# Altium PCB EDA-04211-V4_0_pcb.pcbdoc (part 12 of 12)
Units mm, origin at the board's own origin, x right, y up, seen from the top; angles counter-clockwise.
Board outline 304.8 x 128.5 mm, 14 copper layers (Top Layer, L2, L3GND, L4, L5GND, L6, L7GND, L8, L9GND, L10, L11GND, L12, L13GND, Bottom Layer), stack 4.06 mm thick; 143 components, 1224 nets, 5334 pads, 591 vias.
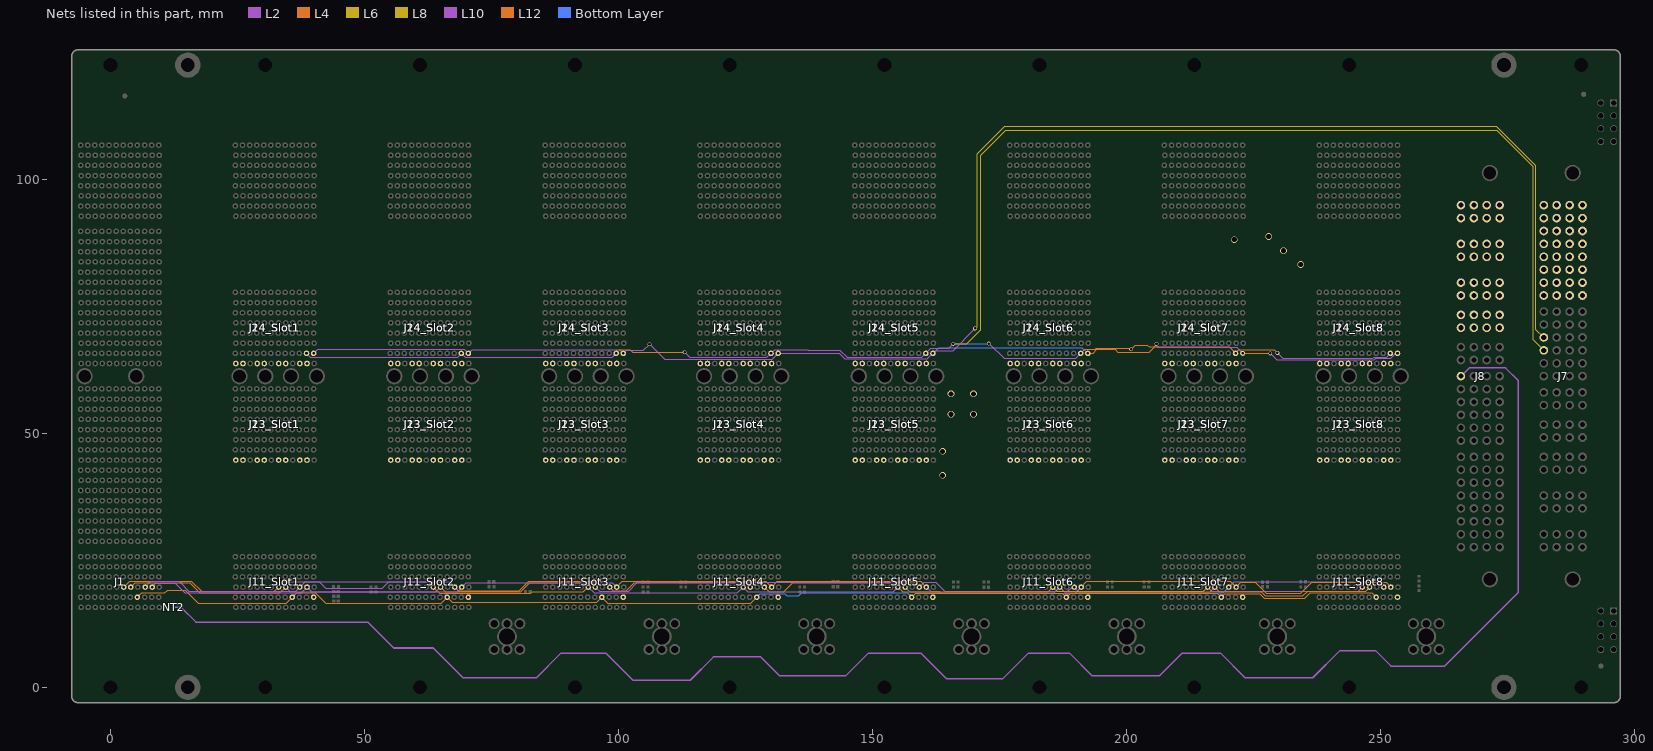
[diagram p24: the nets of this part, all layers, seen from the top]

## Via types
v1: diameter 0.75, hole 0.5, Top Layer to Bottom Layer, tented both sides, 549 vias
v2: diameter 0.85, hole 0.5, Top Layer to Bottom Layer, tented both sides, 32 vias
v3: diameter 1.3, hole 1, Top Layer to Bottom Layer, tented both sides, 10 vias

## Nets (pads, with @x,y where several pads share a name; then routed paths per layer and width w, separated by ;. In a path a pad name is that pad's centre, name@x,y a point inside that pad or via, vN(x,y) a via of type N, cw(c..) or ccw(c..) an arc to the next point about the centre after c; other vN are vias at no path point) (continued)
RTM_SHARED_BUS6: J7.D3 J14_Slot1.K2 J14_Slot2.K2 J14_Slot3.K2 J14_Slot4.K2 J14_Slot5.K2 J14_Slot6.K2 J14_Slot7.K2 J14_Slot8.K2 J24_Slot1.K2 J24_Slot2.K2 J24_Slot3.K2 J24_Slot4.K2 J24_Slot5.K2 J24_Slot6.K2 J24_Slot7.K2 J24_Slot8.K2 | length 414.2
  L4 w0.15: J14_Slot3.K2@99.56,65.75 100.287,66.477 102.293,66.477 102.82,65.95 v1(113.02,65.95) ; J14_Slot6.K2@191,65.75 191.769,66.519 193.845,66.519 194.087,66.761 200.547,66.761 200.758,66.55 v1(200.92,66.55) ; J14_Slot7.K2@221.48,65.75 222.157,66.427 229.143,66.427 v1(229.72,65.85)
  L10 w0.15: J14_Slot1.K2@38.6,65.75 39.327,65.023 68.353,65.023 J14_Slot2.K2@69.08,65.75 69.807,65.023 98.833,65.023 J14_Slot3.K2@99.56,65.75 ; v1(113.02,65.95) 114.02,64.95 129.24,64.95 J14_Slot4.K2@130.04,65.75 130.767,66.477 137.259,66.477 137.338,66.398 143.572,66.398 145.023,64.947 159.717,64.947 J14_Slot5.K2@160.52,65.75 161.477,66.707 165.021,66.707 v1(165.911,67.597) ; v1(172.903,67.683) 173.04,67.683 175.973,64.75 190,64.75 J14_Slot6.K2@191,65.75 ; v1(229.72,65.85) 230.799,64.771 248.537,64.771 248.789,65.023 251.233,65.023 J14_Slot8.K2@251.96,65.75
  L12 w0.15: v1(200.92,66.55) 201.72,67.35 204.12,67.35 204.468,67.002 220.228,67.002 J14_Slot7.K2@221.48,65.75
  L6 w0.15: v1@165.954,67.64 v1(165.911,67.597) 168.567,67.597 171.32,70.35 171.32,104.75 176.22,109.65 272.927,109.65 280.02,102.557 280.02,68.48 J7.D3@282.16,66.34
  Bottom Layer w0.15: v1(165.911,67.597) 165.954,67.64 172.86,67.64 v1(172.903,67.683)
RTM_SHARED_BUS7: J7.D4 J14_Slot1.L2 J14_Slot2.L2 J14_Slot3.L2 J14_Slot4.L2 J14_Slot5.L2 J14_Slot6.L2 J14_Slot7.L2 J14_Slot8.L2 J24_Slot1.L2 J24_Slot2.L2 J24_Slot3.L2 J24_Slot4.L2 J24_Slot5.L2 J24_Slot6.L2 J24_Slot7.L2 J24_Slot8.L2 | length 417.3
  L2 w0.15: J14_Slot3.L2@100.96,65.75 101.56,66.35 104.92,66.35 v1(106.12,67.55) ; J14_Slot5.L2@161.92,65.75 162.47,66.3 165.87,66.3 v1(170.22,70.65) ; v1(205.92,67.65) 206.035,67.535 206.035,67.192 206.288,66.938 221.692,66.938 J14_Slot7.L2@222.88,65.75
  L4 w0.15: J14_Slot6.L2@192.4,65.75 193.433,65.75 194.191,66.509 197.761,66.509 198.32,65.95 204.52,65.95 205.593,67.023 205.593,67.16 205.92,67.488 v1(205.92,67.65) ; J14_Slot7.L2@222.88,65.75 v1(228.32,65.75)
  L10 w0.15: J14_Slot1.L2@40,65.75 40.8,66.55 69.68,66.55 J14_Slot2.L2@70.48,65.75 71.207,66.477 100.233,66.477 J14_Slot3.L2@100.96,65.75 ; v1(106.12,67.55) 109.12,64.55 130.24,64.55 J14_Slot4.L2@131.44,65.75 143.52,65.75 144.601,64.669 160.839,64.669 J14_Slot5.L2@161.92,65.75 ; v1(228.32,65.75) 229.593,64.477 248.747,64.477 249.041,64.771 252.009,64.771 252.687,65.449 252.687,65.451 252.804,65.568 253.178,65.568 J14_Slot8.L2@253.36,65.75
  L12 w0.15: J14_Slot6.L2@192.4,65.75 J14_Slot6.L2@192.496,65.75
  L6 w0.15: v1(170.22,70.65) 170.6,71.03 170.6,105.03 176.02,110.45 272.834,110.45 280.52,102.764 280.52,70.52 J7.D4@282.16,68.88
  Bottom Layer w0.15: J14_Slot5.L2@161.92,65.75 163.072,66.902 191.248,66.902 J14_Slot6.L2@192.4,65.75
RTN_Sense: J8.D1 NT2.1 | length 353.8
  L10 w0.3: v1(13.914,15.784) 16.837,12.861 50.659,12.861 55.77,7.75 63.57,7.75 69.419,1.901 83.871,1.901 88.72,6.75 97.52,6.75 102.869,1.401 114.121,1.401 118.72,6 128.02,6 131.77,2.25 144.72,2.25 149.22,6.75 159.52,6.75 164.619,1.651 175.621,1.651 180.72,6.75 188.77,6.75 193.27,2.25 206.47,2.25 210.97,6.75 218.52,6.75 223.369,1.901 236.671,1.901 242.02,7.25 249.02,7.25 252.081,4.189 262.659,4.189 277.12,18.65 277.12,60.405 274.643,62.881 267.471,62.881 J8.D1@265.85,61.26
  Bottom Layer w0.3: 12.766,15.784 v1(13.914,15.784)
SHARED_BUS_0: J1.I2 J11_Slot1.I2 J11_Slot2.I2 J11_Slot3.I2 J11_Slot4.I2 J11_Slot5.I2 J11_Slot6.I2 J11_Slot7.I2 J11_Slot8.I2 | length 253.4
  L4 w0.102: J11_Slot2.I2@66.28,17.75 67.258,16.772 95.782,16.772 J11_Slot3.I2@96.76,17.75 97.916,16.594 126.084,16.594 J11_Slot4.I2@127.24,17.75 ; J11_Slot5.I2@157.72,17.75 158.52,18.55 187.4,18.55 J11_Slot6.I2@188.2,17.75 189.025,18.575 217.855,18.575 J11_Slot7.I2@218.68,17.75 219.406,18.476 226.233,18.476 227.159,17.55 235.09,17.55 236.166,18.626 248.284,18.626 J11_Slot8.I2@249.16,17.75
  L12 w0.102: J1.I2@5.32,17.75 6.171,18.601 10.691,18.601 11.24,19.15 14.74,19.15 17.296,16.594 34.644,16.594 J11_Slot1.I2@35.8,17.75 36.651,18.601 40.33,18.601 42.362,16.569 65.099,16.569 J11_Slot2.I2@66.28,17.75
  Bottom Layer w0.102: J11_Slot4.I2@127.24,17.75 127.966,18.476 132.698,18.476 133.141,18.033 135.51,18.033 136.128,18.651 156.819,18.651 J11_Slot5.I2@157.72,17.75
SHARED_BUS_1: J1.G3 J11_Slot1.G3 J11_Slot2.G3 J11_Slot3.G3 J11_Slot4.G3 J11_Slot5.G3 J11_Slot6.G3 J11_Slot7.G3 J11_Slot8.G3 | length 252.4
  L2 w0.102: J11_Slot3.G3@94.06,19.75 95.209,18.601 123.391,18.601 J11_Slot4.G3@124.54,19.75 125.461,18.829 154.099,18.829 J11_Slot5.G3@155.02,19.75
  L4 w0.102: J11_Slot2.G3@63.58,19.75 64.83,18.5 82.7,18.5 83.004,18.804 93.114,18.804 J11_Slot3.G3@94.06,19.75 ; J11_Slot5.G3@155.02,19.75 155.941,18.829 184.579,18.829 J11_Slot6.G3@185.5,19.75
  L8 w0.102: J11_Slot6.G3@185.5,19.75 185.51,19.75 186.38,18.88 215.11,18.88 J11_Slot7.G3@215.98,19.75
  L10 w0.102: J11_Slot1.G3@33.1,19.75 34.16,20.81 41.08,20.81 42.34,19.55 53.54,19.55 54.8,20.81 62.52,20.81 J11_Slot2.G3@63.58,19.75 ; J11_Slot7.G3@215.98,19.75 216.799,18.931 245.641,18.931 J11_Slot8.G3@246.46,19.75
  L12 w0.102: J1.G3@2.62,19.75 3.807,20.937 15.953,20.937 17.985,18.905 32.255,18.905 J11_Slot1.G3@33.1,19.75
SHARED_BUS_2: J1.H3 J11_Slot1.H3 J11_Slot2.H3 J11_Slot3.H3 J11_Slot4.H3 J11_Slot5.H3 J11_Slot6.H3 J11_Slot7.H3 J11_Slot8.H3 | length 253.2
  L2 w0.102: J11_Slot3.H3@95.46,19.75 96.305,18.905 102.001,18.905 103.754,20.658 125.032,20.658 J11_Slot4.H3@125.94,19.75 126.873,20.683 155.487,20.683 J11_Slot5.H3@156.42,19.75
  L4 w0.102: J11_Slot2.H3@64.98,19.75 65.952,18.778 72.943,18.778 73.008,18.843 80.767,18.843 82.562,20.638 94.572,20.638 J11_Slot3.H3@95.46,19.75 ; J11_Slot6.H3@186.9,19.75 187.801,18.849 216.479,18.849 J11_Slot7.H3@217.38,19.75 217.387,19.75 218.317,18.82 226.524,18.82 227.344,18 234.722,18 235.678,18.956 247.066,18.956 J11_Slot8.H3@247.86,19.75
  L10 w0.102: J11_Slot1.H3@34.5,19.75 35.446,18.804 64.034,18.804 J11_Slot2.H3@64.98,19.75
  L12 w0.102: J1.H3@4.02,19.75 4.877,20.607 15.622,20.607 17.629,18.601 33.351,18.601 J11_Slot1.H3@34.5,19.75
  Bottom Layer w0.102: J11_Slot5.H3@156.42,19.75 157.344,18.826 163.477,18.826 163.652,18.651 185.801,18.651 J11_Slot6.H3@186.9,19.75
SHARED_BUS_3: J1.J3 J11_Slot1.J3 J11_Slot2.J3 J11_Slot3.J3 J11_Slot4.J3 J11_Slot5.J3 J11_Slot6.J3 J11_Slot7.J3 J11_Slot8.J3 | length 253.9
  L2 w0.102: J1.J3@6.82,19.75 7.931,20.861 13.529,20.861 15.443,18.947 36.497,18.947 J11_Slot1.J3@37.3,19.75 38.31,20.76 66.77,20.76 J11_Slot2.J3@67.78,19.75
  L4 w0.102: J11_Slot2.J3@67.78,19.75 68.483,19.047 80.447,19.047 82.312,20.912 97.098,20.912 J11_Slot3.J3@98.26,19.75 99.018,18.992 101.554,18.992 103.144,20.582 127.908,20.582 J11_Slot4.J3@128.74,19.75 129.712,18.778 132.557,18.778 134.361,20.582 158.388,20.582 J11_Slot5.J3@159.22,19.75
  L10 w0.102: J11_Slot5.J3@159.22,19.75 160.179,20.709 162.453,20.709 164.282,18.88 188.47,18.88 189.34,19.75 J11_Slot6.J3@189.7,19.75 ; J11_Slot7.J3@220.18,19.75 221.19,20.76 249.65,20.76 J11_Slot8.J3@250.66,19.75
  Bottom Layer w0.102: J11_Slot6.J3@189.7,19.75 190.838,18.612 219.056,18.612 220.18,19.736 J11_Slot7.J3@220.18,19.75
SHARED_BUS_4: J1.K3 J11_Slot1.K3 J11_Slot2.K3 J11_Slot3.K3 J11_Slot4.K3 J11_Slot5.K3 J11_Slot6.K3 J11_Slot7.K3 J11_Slot8.K3 | length 253.2
  L2 w0.102: J1.K3@8.22,19.75 8.946,20.476 12.745,20.476 14.629,18.591 37.541,18.591 J11_Slot1.K3@38.7,19.75 39.621,18.829 68.259,18.829 J11_Slot2.K3@69.18,19.75 70.063,20.633 98.777,20.633 J11_Slot3.K3@99.66,19.75
  L4 w0.102: J11_Slot3.K3@99.66,19.75 100.797,20.887 129.003,20.887 J11_Slot4.K3@130.14,19.75 131.277,20.887 159.483,20.887 J11_Slot5.K3@160.62,19.75 ; J11_Slot6.K3@191.1,19.75 192.199,20.849 220.481,20.849 J11_Slot7.K3@221.58,19.75 222.53,20.7 225.381,20.7 227.53,18.55 234.341,18.55 236.49,20.7 251.11,20.7 J11_Slot8.K3@252.06,19.75
  L10 w0.102: J11_Slot5.K3@160.62,19.75 161.439,18.931 162.961,18.931 163.317,18.575 189.925,18.575 J11_Slot6.K3@191.1,19.75
"SYSEN_Peripheral Slot 1_N": J11_Slot1.L2
"SYSEN_Peripheral Slot 2_N": J11_Slot2.L2
"SYSEN_Peripheral Slot 3_N": J11_Slot3.L2
"SYSEN_Peripheral Slot 4_N": J11_Slot4.L2
"SYSEN_Peripheral Slot 5_N": J11_Slot5.L2
"SYSEN_Peripheral Slot 6_N": J11_Slot6.L2
"SYSEN_Peripheral Slot 7_N": J11_Slot7.L2
"SYSEN_Peripheral Slot 8_N": J11_Slot8.L2
Vext1: J7.P9 J8.P1 J14_Slot1.A1 J14_Slot1.B1 J14_Slot1.D1 J14_Slot1.E1 J14_Slot2.A1 J14_Slot2.B1 J14_Slot2.D1 J14_Slot2.E1 J14_Slot3.A1 J14_Slot3.B1 J14_Slot3.D1 J14_Slot3.E1 J14_Slot4.A1 J14_Slot4.B1 J14_Slot4.D1 J14_Slot4.E1 J14_Slot5.A1 J14_Slot5.B1 J14_Slot5.D1 J14_Slot5.E1 J14_Slot6.A1 J14_Slot6.B1 J14_Slot6.D1 J14_Slot6.E1 J14_Slot7.A1 J14_Slot7.B1 J14_Slot7.D1 J14_Slot7.E1 J14_Slot8.A1 J14_Slot8.B1 J14_Slot8.D1 J14_Slot8.E1 J24_Slot1.A1 J24_Slot1.B1 J24_Slot1.D1 J24_Slot1.E1 J24_Slot2.A1 J24_Slot2.B1 J24_Slot2.D1 J24_Slot2.E1 J24_Slot3.A1 J24_Slot3.B1 J24_Slot3.D1 J24_Slot3.E1 J24_Slot4.A1 J24_Slot4.B1 J24_Slot4.D1 J24_Slot4.E1 J24_Slot5.A1 J24_Slot5.B1 J24_Slot5.D1 J24_Slot5.E1 J24_Slot6.A1 J24_Slot6.B1 J24_Slot6.D1 J24_Slot6.E1 J24_Slot7.A1 J24_Slot7.B1 J24_Slot7.D1 J24_Slot7.E1 J24_Slot8.A1 J24_Slot8.B1 J24_Slot8.D1 J24_Slot8.E1
Vext2: J7.P8 J8.P2 J14_Slot1.G1 J14_Slot1.H1 J14_Slot1.J1 J14_Slot1.K1 J14_Slot2.G1 J14_Slot2.H1 J14_Slot2.J1 J14_Slot2.K1 J14_Slot3.G1 J14_Slot3.H1 J14_Slot3.J1 J14_Slot3.K1 J14_Slot4.G1 J14_Slot4.H1 J14_Slot4.J1 J14_Slot4.K1 J14_Slot5.G1 J14_Slot5.H1 J14_Slot5.J1 J14_Slot5.K1 J14_Slot6.G1 J14_Slot6.H1 J14_Slot6.J1 J14_Slot6.K1 J14_Slot7.G1 J14_Slot7.H1 J14_Slot7.J1 J14_Slot7.K1 J14_Slot8.G1 J14_Slot8.H1 J14_Slot8.J1 J14_Slot8.K1 J24_Slot1.G1 J24_Slot1.H1 J24_Slot1.J1 J24_Slot1.K1 J24_Slot2.G1 J24_Slot2.H1 J24_Slot2.J1 J24_Slot2.K1 J24_Slot3.G1 J24_Slot3.H1 J24_Slot3.J1 J24_Slot3.K1 J24_Slot4.G1 J24_Slot4.H1 J24_Slot4.J1 J24_Slot4.K1 J24_Slot5.G1 J24_Slot5.H1 J24_Slot5.J1 J24_Slot5.K1 J24_Slot6.G1 J24_Slot6.H1 J24_Slot6.J1 J24_Slot6.K1 J24_Slot7.G1 J24_Slot7.H1 J24_Slot7.J1 J24_Slot7.K1 J24_Slot8.G1 J24_Slot8.H1 J24_Slot8.J1 J24_Slot8.K1
  other v3: 165.48,53.757 169.895,53.757 165.48,57.77 169.895,57.77 234.32,83.25 230.92,85.95 221.22,88.15 228.02,88.75
Vext3: J7.P7 J8.P3 J13_Slot1.A1 J13_Slot1.B1 J13_Slot1.D1 J13_Slot1.E1 J13_Slot2.A1 J13_Slot2.B1 J13_Slot2.D1 J13_Slot2.E1 J13_Slot3.A1 J13_Slot3.B1 J13_Slot3.D1 J13_Slot3.E1 J13_Slot4.A1 J13_Slot4.B1 J13_Slot4.D1 J13_Slot4.E1 J13_Slot5.A1 J13_Slot5.B1 J13_Slot5.D1 J13_Slot5.E1 J13_Slot6.A1 J13_Slot6.B1 J13_Slot6.D1 J13_Slot6.E1 J13_Slot7.A1 J13_Slot7.B1 J13_Slot7.D1 J13_Slot7.E1 J13_Slot8.A1 J13_Slot8.B1 J13_Slot8.D1 J13_Slot8.E1 J23_Slot1.A1 J23_Slot1.B1 J23_Slot1.D1 J23_Slot1.E1 J23_Slot2.A1 J23_Slot2.B1 J23_Slot2.D1 J23_Slot2.E1 J23_Slot3.A1 J23_Slot3.B1 J23_Slot3.D1 J23_Slot3.E1 J23_Slot4.A1 J23_Slot4.B1 J23_Slot4.D1 J23_Slot4.E1 J23_Slot5.A1 J23_Slot5.B1 J23_Slot5.D1 J23_Slot5.E1 J23_Slot6.A1 J23_Slot6.B1 J23_Slot6.D1 J23_Slot6.E1 J23_Slot7.A1 J23_Slot7.B1 J23_Slot7.D1 J23_Slot7.E1 J23_Slot8.A1 J23_Slot8.B1 J23_Slot8.D1 J23_Slot8.E1
Vext4: J7.P6 J8.P4 J13_Slot1.G1 J13_Slot1.H1 J13_Slot1.J1 J13_Slot1.K1 J13_Slot2.G1 J13_Slot2.H1 J13_Slot2.J1 J13_Slot2.K1 J13_Slot3.G1 J13_Slot3.H1 J13_Slot3.J1 J13_Slot3.K1 J13_Slot4.G1 J13_Slot4.H1 J13_Slot4.J1 J13_Slot4.K1 J13_Slot5.G1 J13_Slot5.H1 J13_Slot5.J1 J13_Slot5.K1 J13_Slot6.G1 J13_Slot6.H1 J13_Slot6.J1 J13_Slot6.K1 J13_Slot7.G1 J13_Slot7.H1 J13_Slot7.J1 J13_Slot7.K1 J13_Slot8.G1 J13_Slot8.H1 J13_Slot8.J1 J13_Slot8.K1 J23_Slot1.G1 J23_Slot1.H1 J23_Slot1.J1 J23_Slot1.K1 J23_Slot2.G1 J23_Slot2.H1 J23_Slot2.J1 J23_Slot2.K1 J23_Slot3.G1 J23_Slot3.H1 J23_Slot3.J1 J23_Slot3.K1 J23_Slot4.G1 J23_Slot4.H1 J23_Slot4.J1 J23_Slot4.K1 J23_Slot5.G1 J23_Slot5.H1 J23_Slot5.J1 J23_Slot5.K1 J23_Slot6.G1 J23_Slot6.H1 J23_Slot6.J1 J23_Slot6.K1 J23_Slot7.G1 J23_Slot7.H1 J23_Slot7.J1 J23_Slot7.K1 J23_Slot8.G1 J23_Slot8.H1 J23_Slot8.J1 J23_Slot8.K1
  other v3: 163.825,41.717 163.825,46.442
pads on no net: B5.1 B6.1 B7.1 B8.1 B9.1 B10.1 B11.1 B12.1 B13.1 B14.1 B15.1 B16.1 B17.1 B18.1 B19.1 B20.1 B21.1 B22.1 B23.1 B24.1 FTG1.FTG2 FTG2.FTG2 FTG3.FTG2 GUIDE1.1 GUIDE1.2 GUIDE2.1 GUIDE2.2 GUIDE3.1 GUIDE3.2 GUIDE4.1 GUIDE4.2 GUIDE5.1 GUIDE5.2 GUIDE6.1 GUIDE6.2 GUIDE7.1 GUIDE7.2 GUIDE8.1 GUIDE8.2 GUIDE9.1 GUIDE9.2 GUIDE10.1 GUIDE10.2 GUIDE11.1 GUIDE11.2 GUIDE12.1 GUIDE12.2 GUIDE13.1 GUIDE13.2 GUIDE14.1 GUIDE14.2 GUIDE15.1 GUIDE15.2 GUIDE16.1 GUIDE16.2 GUIDE17.1 GUIDE17.2 J1.E4 J1.F4 J1.K2 J2.A1 J2.B1 J2.B2 J2.C2 J2.D1 J2.E1 J2.E2 J2.F2 J2.G1 J2.H1 J2.H2 J2.I2 J2.J1 J2.K1 J2.K2 J2.L2 J7.A5 J7.A6 J7.B2 J7.B3 J7.B4 J7.B5 J7.B6 J7.C2 J7.C3 J7.C4 J7.C5 J7.C6 J7.D5 J7.D6 J7.MTG1 J7.MTG2 J8.MTG1 J8.MTG2 J16_Slot1.A3 J16_Slot1.A5 J16_Slot1.A7 J16_Slot1.B2 J16_Slot1.B3 J16_Slot1.B4 J16_Slot1.B5 J16_Slot1.B6 J16_Slot1.B7 J16_Slot1.B8 J16_Slot1.C2 J16_Slot1.C4 J16_Slot1.C6 J16_Slot1.C8 J16_Slot1.D3 J16_Slot1.D5 J16_Slot1.D7 J16_Slot1.E2 J16_Slot1.E3 J16_Slot1.E4 J16_Slot1.E5 J16_Slot1.E6 J16_Slot1.E7 J16_Slot1.E8 J16_Slot1.F2 J16_Slot1.F4 J16_Slot1.F6 J16_Slot1.F8 J16_Slot1.G3 J16_Slot1.G5 J16_Slot1.G7 J16_Slot1.H2 J16_Slot1.H3 J16_Slot1.H4 J16_Slot1.H5 J16_Slot1.H6 J16_Slot1.H7 J16_Slot1.H8 J16_Slot1.I2 J16_Slot1.I4 J16_Slot1.I6 J16_Slot1.I8 J16_Slot1.J3 J16_Slot1.J5 J16_Slot1.J7 J16_Slot1.K2 J16_Slot1.K3 J16_Slot1.K4 J16_Slot1.K5 J16_Slot1.K6 J16_Slot1.K7 J16_Slot1.K8 J16_Slot1.L2 J16_Slot1.L4 J16_Slot1.L6 J16_Slot1.L8 J16_Slot2.A3 J16_Slot2.A5 J16_Slot2.A7 J16_Slot2.B2 J16_Slot2.B3 J16_Slot2.B4 J16_Slot2.B5 J16_Slot2.B6 J16_Slot2.B7 J16_Slot2.B8 J16_Slot2.C2 J16_Slot2.C4 J16_Slot2.C6 J16_Slot2.C8 J16_Slot2.D3 J16_Slot2.D5 J16_Slot2.D7 J16_Slot2.E2 J16_Slot2.E3 J16_Slot2.E4 J16_Slot2.E5 J16_Slot2.E6 J16_Slot2.E7 J16_Slot2.E8 J16_Slot2.F2 J16_Slot2.F4 J16_Slot2.F6 J16_Slot2.F8 J16_Slot2.G3 J16_Slot2.G5 J16_Slot2.G7 J16_Slot2.H2 J16_Slot2.H3 J16_Slot2.H4 J16_Slot2.H5 J16_Slot2.H6 J16_Slot2.H7 J16_Slot2.H8 J16_Slot2.I2 J16_Slot2.I4 J16_Slot2.I6 J16_Slot2.I8 J16_Slot2.J3 J16_Slot2.J5 J16_Slot2.J7 J16_Slot2.K2 J16_Slot2.K3 J16_Slot2.K4 J16_Slot2.K5 J16_Slot2.K6 J16_Slot2.K7 J16_Slot2.K8 J16_Slot2.L2 J16_Slot2.L4 J16_Slot2.L6 J16_Slot2.L8 J16_Slot3.A3 J16_Slot3.A5 J16_Slot3.A7 J16_Slot3.B2 J16_Slot3.B3 J16_Slot3.B4 J16_Slot3.B5 J16_Slot3.B6 J16_Slot3.B7 J16_Slot3.B8 J16_Slot3.C2 J16_Slot3.C4 J16_Slot3.C6 J16_Slot3.C8 J16_Slot3.D3 J16_Slot3.D5 J16_Slot3.D7 J16_Slot3.E2 J16_Slot3.E3 J16_Slot3.E4 J16_Slot3.E5 J16_Slot3.E6 J16_Slot3.E7 J16_Slot3.E8 J16_Slot3.F2 J16_Slot3.F4 J16_Slot3.F6 J16_Slot3.F8 J16_Slot3.G3 J16_Slot3.G5 J16_Slot3.G7 J16_Slot3.H2 J16_Slot3.H3 J16_Slot3.H4 J16_Slot3.H5 J16_Slot3.H6 J16_Slot3.H7 J16_Slot3.H8 J16_Slot3.I2 J16_Slot3.I4 J16_Slot3.I6 J16_Slot3.I8 J16_Slot3.J3 J16_Slot3.J5 J16_Slot3.J7 J16_Slot3.K2 J16_Slot3.K3 J16_Slot3.K4 J16_Slot3.K5 J16_Slot3.K6 J16_Slot3.K7 J16_Slot3.K8 J16_Slot3.L2 J16_Slot3.L4 J16_Slot3.L6 J16_Slot3.L8 J16_Slot4.A3 J16_Slot4.A5 J16_Slot4.A7 J16_Slot4.B2 J16_Slot4.B3 J16_Slot4.B4 J16_Slot4.B5 J16_Slot4.B6 J16_Slot4.B7 J16_Slot4.B8 J16_Slot4.C2 J16_Slot4.C4 J16_Slot4.C6 J16_Slot4.C8 J16_Slot4.D3 J16_Slot4.D5 J16_Slot4.D7 J16_Slot4.E2 J16_Slot4.E3 J16_Slot4.E4 J16_Slot4.E5 J16_Slot4.E6 J16_Slot4.E7 J16_Slot4.E8 J16_Slot4.F2 J16_Slot4.F4 J16_Slot4.F6 J16_Slot4.F8 J16_Slot4.G3 J16_Slot4.G5 J16_Slot4.G7 J16_Slot4.H2 J16_Slot4.H3 J16_Slot4.H4 J16_Slot4.H5 J16_Slot4.H6 J16_Slot4.H7 J16_Slot4.H8 J16_Slot4.I2 J16_Slot4.I4 J16_Slot4.I6 J16_Slot4.I8 J16_Slot4.J3 J16_Slot4.J5 J16_Slot4.J7 J16_Slot4.K2 J16_Slot4.K3 J16_Slot4.K4 J16_Slot4.K5 J16_Slot4.K6 J16_Slot4.K7 J16_Slot4.K8 J16_Slot4.L2 J16_Slot4.L4 J16_Slot4.L6 J16_Slot4.L8 J16_Slot5.A3 J16_Slot5.A5 J16_Slot5.A7 J16_Slot5.B2 J16_Slot5.B3 J16_Slot5.B4 J16_Slot5.B5 J16_Slot5.B6 J16_Slot5.B7 J16_Slot5.B8 J16_Slot5.C2 J16_Slot5.C4 J16_Slot5.C6 J16_Slot5.C8 J16_Slot5.D3 J16_Slot5.D5 J16_Slot5.D7 J16_Slot5.E2 J16_Slot5.E3 J16_Slot5.E4 J16_Slot5.E5 J16_Slot5.E6 J16_Slot5.E7 J16_Slot5.E8 J16_Slot5.F2 J16_Slot5.F4 J16_Slot5.F6 J16_Slot5.F8 J16_Slot5.G3 J16_Slot5.G5 J16_Slot5.G7 J16_Slot5.H2 J16_Slot5.H3 J16_Slot5.H4 J16_Slot5.H5 J16_Slot5.H6 J16_Slot5.H7 J16_Slot5.H8 J16_Slot5.I2 J16_Slot5.I4 J16_Slot5.I6 J16_Slot5.I8 J16_Slot5.J3 J16_Slot5.J5 J16_Slot5.J7 J16_Slot5.K2 J16_Slot5.K3 J16_Slot5.K4 J16_Slot5.K5 J16_Slot5.K6 J16_Slot5.K7 J16_Slot5.K8 J16_Slot5.L2 J16_Slot5.L4 J16_Slot5.L6 J16_Slot5.L8 J16_Slot6.A3 J16_Slot6.A5 J16_Slot6.A7 J16_Slot6.B2 J16_Slot6.B3 J16_Slot6.B4 J16_Slot6.B5 J16_Slot6.B6 J16_Slot6.B7 J16_Slot6.B8 J16_Slot6.C2 J16_Slot6.C4 J16_Slot6.C6 J16_Slot6.C8 J16_Slot6.D3 J16_Slot6.D5 J16_Slot6.D7 J16_Slot6.E2 J16_Slot6.E3 J16_Slot6.E4 J16_Slot6.E5 J16_Slot6.E6 J16_Slot6.E7 J16_Slot6.E8 J16_Slot6.F2 J16_Slot6.F4 J16_Slot6.F6 J16_Slot6.F8 J16_Slot6.G3 J16_Slot6.G5 J16_Slot6.G7 J16_Slot6.H2 J16_Slot6.H3 J16_Slot6.H4 J16_Slot6.H5 J16_Slot6.H6 J16_Slot6.H7 J16_Slot6.H8 J16_Slot6.I2 J16_Slot6.I4 J16_Slot6.I6 J16_Slot6.I8 J16_Slot6.J3 J16_Slot6.J5 J16_Slot6.J7 J16_Slot6.K2 J16_Slot6.K3 J16_Slot6.K4 J16_Slot6.K5 J16_Slot6.K6 J16_Slot6.K7 J16_Slot6.K8 J16_Slot6.L2 J16_Slot6.L4 J16_Slot6.L6 J16_Slot6.L8 J16_Slot7.A3 J16_Slot7.A5 J16_Slot7.A7 J16_Slot7.B2 J16_Slot7.B3 J16_Slot7.B4 J16_Slot7.B5 J16_Slot7.B6 J16_Slot7.B7 J16_Slot7.B8 J16_Slot7.C2 J16_Slot7.C4 J16_Slot7.C6 J16_Slot7.C8 J16_Slot7.D3 J16_Slot7.D5 J16_Slot7.D7 J16_Slot7.E2 J16_Slot7.E3 J16_Slot7.E4 J16_Slot7.E5 J16_Slot7.E6 J16_Slot7.E7 J16_Slot7.E8 J16_Slot7.F2 J16_Slot7.F4 J16_Slot7.F6 J16_Slot7.F8 J16_Slot7.G3 J16_Slot7.G5 J16_Slot7.G7 J16_Slot7.H2 J16_Slot7.H3 J16_Slot7.H4 J16_Slot7.H5 J16_Slot7.H6 J16_Slot7.H7 J16_Slot7.H8 J16_Slot7.I2 J16_Slot7.I4 J16_Slot7.I6 J16_Slot7.I8 J16_Slot7.J3 J16_Slot7.J5 J16_Slot7.J7 J16_Slot7.K2 J16_Slot7.K3 J16_Slot7.K4 J16_Slot7.K5 J16_Slot7.K6 J16_Slot7.K7 J16_Slot7.K8 J16_Slot7.L2 J16_Slot7.L4 J16_Slot7.L6 J16_Slot7.L8 J16_Slot8.A3 J16_Slot8.A5 J16_Slot8.A7 J16_Slot8.B2 J16_Slot8.B3 J16_Slot8.B4 J16_Slot8.B5 J16_Slot8.B6 J16_Slot8.B7 J16_Slot8.B8 J16_Slot8.C2 J16_Slot8.C4 J16_Slot8.C6 J16_Slot8.C8 J16_Slot8.D3 J16_Slot8.D5 J16_Slot8.D7 J16_Slot8.E2 J16_Slot8.E3 J16_Slot8.E4 J16_Slot8.E5 J16_Slot8.E6 J16_Slot8.E7 J16_Slot8.E8 J16_Slot8.F2 J16_Slot8.F4 J16_Slot8.F6 J16_Slot8.F8 J16_Slot8.G3 J16_Slot8.G5 J16_Slot8.G7 J16_Slot8.H2 J16_Slot8.H3 J16_Slot8.H4 J16_Slot8.H5 J16_Slot8.H6 J16_Slot8.H7 J16_Slot8.H8 J16_Slot8.I2 J16_Slot8.I4 J16_Slot8.I6 J16_Slot8.I8 J16_Slot8.J3 J16_Slot8.J5 J16_Slot8.J7 J16_Slot8.K2 J16_Slot8.K3 J16_Slot8.K4 J16_Slot8.K5 J16_Slot8.K6 J16_Slot8.K7 J16_Slot8.K8 J16_Slot8.L2 J16_Slot8.L4 J16_Slot8.L6 J16_Slot8.L8

## Polygon pours and split planes (outlines as drawn)
no net on Bottom Courtyard "Board" (solid, pour order 166): -7.599,-1.797 -7.599,124.303 cw(c-6.399,124.303) -6.399,125.503 296.001,125.503 cw(c296.001,124.303) 297.201,124.303 297.201,-1.797 cw(c296.001,-1.797) 296.001,-2.997 -6.399,-2.997 cw(c-6.399,-1.797)
P12V on Bottom Layer "P12V" (solid, remove dead copper, pour order 111): 291.206,33.974 296.6,39.369 296.6,105.5 296.8,105.7 296.8,113.3 296.3,113.8 295.3,113.8 294.6,113.1 294.6,106.7 293.1,105.2 293.1,41.7 290,38.6 289.4,38.621 258.941,38.63 258.94,19.37 256.071,16.501 -7.016,16.571 -7.016,14.006 -7.008,14.006 -7.008,-2.5 254.731,-2.5 254.731,-2.516 291.206,-2.538 291.206,4.8 291.2,5.1 292,5.9 296.1,5.9 296.8,6.6 296.8,12.7 295.9,13.6 295.5,13.6 294.6,14.5 294.6,18.206 291.206,21.6
Vext4 on Bottom Layer "Vext4" (solid, remove dead copper, pour order 164): 264.369,69.099 273.807,69.099 279.533,73.687 cw(c283.969,68.151) 283.969,75.245 292.044,75.245 292.044,81.062 281.02,81.062 273.781,75.474 264.32,75.474 264.32,75.25 260.12,75.25 254.42,69.55 254.42,59.65 253.02,58.25 234.72,58.25 233.02,56.55 233.02,44.75 239.02,38.75 258.22,38.75 264.02,44.55 264.02,68.75
Vext1 on Bottom Layer "Vext1" (solid, remove dead copper, pour order 163): 264.176,90.206 274.416,90.206 280.995,91.222 292.044,91.222 292.044,97.216 264.32,97.216 264.32,97.25 236.72,97.25 231.62,92.15 231.62,63.15 245.02,63.15 245.02,74.522 260.699,90.201 264.171,90.201
Vext2 on Bottom Layer "Vext2" (solid, remove dead copper, pour order 102): 292.044,86.085 280.481,86.085 274.264,82.154 264.32,82.154 264.32,90.206 274.416,90.206 280.995,91.222 292.044,91.222
Vext3 on Bottom Layer "Vext3" (solid, remove dead copper, pour order 104): 292.046,86.085 280.481,86.085 274.264,82.154 264.32,82.154 264.32,75.474 273.781,75.474 281.02,81.062 292.044,81.062
Vext2 on L10 "Vext2" (solid, remove dead copper, pour order 162): 273.156,81.894 279.702,86.033 291.266,86.033 291.266,91.17 280.217,91.17 272.574,89.99 227.02,89.99 227.02,88.25 233.376,81.894 253.42,81.894 253.42,65.75 249.16,65.75 248.94,61.25 254.02,61.25 254.02,61.35 259.52,61.35 259.52,81.894
Vext3 on L10 "Vext3" (solid, remove dead copper, pour order 161): 265.02,75.422 273.003,75.422 280.242,81.01 291.266,81.01 291.268,86.033 279.702,86.033 273.403,82.05 259.82,82.05 256.62,78.85 256.62,61.35 253.69,58.42 253.26,58.85 233.22,58.85 233.22,44.55 236.72,41.05 258.02,41.05 259.62,42.65 259.62,53.05 264.92,58.35 264.92,75.364 cw(c265.262,74.891)
Vext3 on L10 "Vext3" (solid, remove dead copper, pour order 142): 110.82,58.75 110.82,38.25 153.62,38.25 153.62,58.75
P12V on L10 "P12V" (solid, remove dead copper, pour order 123): 264.608,36.628 264.65,36.585 274.979,36.585 274.979,19.509 264.42,8.95 235.52,8.95 235.52,15.75 237.02,17.25 257.32,17.25 264.62,24.55 264.62,31.05
Vext1 on L10 "Vext1" (solid, remove dead copper, pour order 129): 263.597,97.164 263.597,90.154 273.638,90.154 280.217,91.17 291.266,91.17 291.266,97.164
Vext4 on L10 "Vext4" (solid, remove dead copper, pour order 132): 291.266,81.01 280.242,81.01 273.003,75.422 265.02,75.422 265.02,69.047 273.028,69.047 280.699,75.193 291.266,75.193
P5V on L2 "P5V" (solid, remove dead copper, pour order 116): 291.358,19.242 292.2,18.4 295.6,18.4 296.7,17.3 296.7,14.1 296.3,13.7 292.446,13.7 291.358,12.609 291.358,-2.504 253.54,-2.5 -7.008,-2.5 -7.008,14 -7.01,14 -7.01,16.52 254.042,16.5 269.27,16.5 274.52,21.75 274.52,61.75 273.27,63 273.265,63.003 264.82,63.003 264.82,68.692 291.358,68.692
Vext3 on L2 "Vext3" (solid, remove dead copper, pour order 156): 265.72,74.65 272.732,74.65 280.842,80.91 291.866,80.91 291.868,85.933 280.302,85.933 274.051,81.836 264.22,81.65 235.82,81.65 235.82,41.45 237.82,39.45 258.92,39.45 263.32,43.85 263.32,56.65 264.52,57.85 264.52,73.45
Vext4 on L2 "Vext4" (solid, remove dead copper, pour order 94): 36.562,50.292 32.52,46.25 32.52,42.95 120.657,42.95 123.357,40.25 165.044,40.25 165.044,50.364
Vext2 on L2 "Vext2" (solid, remove dead copper, pour order 84): 23.42,65.75 23.42,50.75 170.632,50.75 170.632,65.75
Vext2 on L2 "Vext2" (solid, remove dead copper, pour order 155): 264.197,81.792 274.086,82.002 280.302,85.933 291.866,85.933 291.866,91.07 280.817,91.07 274.238,90.054 264.197,90.054 264.197,89.904 226.92,89.904 226.92,88.45 233.564,81.806 264.197,81.852
Vext1 on L2 "V1" (solid, remove dead copper, pour order 134): 264.197,97.064 264.197,90.054 274.238,90.054 280.817,91.07 291.866,91.07 291.866,97.064
Vext4 on L12 "Vext4" (solid, remove dead copper, pour order 140): 255.42,37.25 264.82,46.65 264.82,67.45 265.935,68.565 274.899,68.565 275.788,69.454 275.788,74.509 274.696,75.601 257.871,75.601 256.02,73.75 256.02,58.75 153.52,58.75 153.52,37.25
Vext1 on L12 "Vext1" (solid, remove dead copper, pour order 97): 274.72,97.55 263.72,97.55 259.12,97.55 250.02,88.45 236.72,88.45 233.52,85.25 233.52,61.35 236.02,58.85 255.92,58.85 255.92,79.45 264.12,87.65 264.92,88.45 274.72,88.45
GND on Top Layer "GND" (solid, remove dead copper, pour order 115): -7.143,-2.504 -7.12,125 297.201,125 297.201,-2.545 281.47,-2.54 281.47,-2.5 269.77,-2.5
P12V on Top Layer "P12V" (solid, remove dead copper, pour order 74): 254.731,-2.516 291.206,-2.538 291.206,38.621 258.941,38.63 258.94,19.27 256.171,16.501 -7.016,16.571 -7.016,14.006 -7.008,14.006 -7.008,-2.5 254.731,-2.5
P12V on L4 "P12V" (solid, remove dead copper, pour order 159): 291.206,34.906 296.6,40.3 296.6,105.8 296.7,105.9 296.7,113.2 296.3,113.6 295,113.6 294.4,113 294.4,106.7 293,105.3 293,42 289.621,38.621 259.821,38.63 259.819,20.149 257.42,17.75 248.14,17.75 246.893,16.503 -7.016,16.571 -7.016,14.006 -7.008,14.006 -7.008,-2.5 254.731,-2.5 254.731,-2.516 291.206,-2.538 291.206,5 291.2,5.1 292,5.9 296.1,5.9 296.6,6.4 296.6,12.9 294.5,15 294.5,18.006 291.206,21.3
Vext4 on L4 "Vext4" (solid, remove dead copper, pour order 158): 281.299,75.093 291.866,75.093 291.866,80.91 280.842,80.91 274.063,75.677 260.599,75.677 259.024,74.102 259.024,50.867 254.987,46.83 cw(c255.02,46.797) 255.02,46.75 31.491,46.75 31.491,36.45 259.675,36.45 264.459,41.235 264.459,46.75 264.459,67.498 265.348,68.387 275.331,68.387 275.331,70.311
Vext1 on L4 "Vext1" (solid, remove dead copper, pour order 86): 258.998,64.932 258.998,82.428 265.481,88.911 275.788,88.911 275.788,97.191 255.836,97.191 254.122,95.477 254.122,65.852 cw(c253.37,65.852) 253.37,65.1 23.063,65.1 23.04,46.85 254.52,46.85 258.998,51.328
Vext3 on L6 "Vext3" (solid, remove dead copper, pour order 88): 265.72,68.05 276.432,68.05 276.432,80.757 261.462,80.757 260.125,79.42 260.125,50.464 256.447,46.786 23.21,46.786 23.21,35.35 264.82,35.35 264.82,67.15 cw(c265.72,67.15)
Vext1 on L6 "Vext1" (solid, remove dead copper, pour order 160): 259.972,82.902 266.016,88.946 276.889,88.946 276.889,97.227 259.972,97.227 255.295,92.55 173.12,92.55 173.12,65.136 23.091,65.136 23.068,46.85 259.972,46.85
P12V on L8 "P12V" (solid, remove dead copper, pour order 157): 291.206,21.6 296.8,16.006 296.8,6.4 296.4,6 292.1,6 291.206,5.1 291.206,-2.538 254.731,-2.516 254.731,-2.5 -7.008,-2.5 -7.008,14.006 -7.016,14.006 -7.016,16.571 232.977,16.507 234.22,17.75 257.42,17.75 259.719,20.049 259.72,38.63 287.9,38.622 290.022,38.622 293.2,41.8 293.2,105.2 294.7,106.7 294.7,113.1 295.3,113.7 296.7,113.7 296.8,113.6 296.8,105.7 296.8,37.805 291.206,32.202
Vext2 on L8 "Vext2" (solid, remove dead copper, pour order 154): 265.62,81.15 275.991,81.15 275.991,92.15 248.62,92.15 247.22,90.75 23.12,90.75 23.12,65.25 23.115,65.25 23.093,46.643 258.694,46.752 258.694,65.1 258.694,74.224
Vext3 on L8 "Vext3" (solid, remove dead copper, pour order 90): 264.72,68.05 275.991,68.05 275.991,80.75 265.42,80.75 258.668,73.998 258.668,50.709 254.709,46.75 23.515,46.75 23.515,43.089 30.254,36.35 259.625,36.35 264.72,41.445
no net on Drill Drawing "CM-eq" (hatched 45Degree grid 2 track 0.15, remove dead copper): 210.54,184.85 210.54,181.85 240.54,181.85 240.54,180.35 260.54,180.35 260.54,181.85 255.54,181.85 255.54,184.85
no net on Drill Drawing "CM-eq" (hatched 45Degree grid 2 track 0.15, remove dead copper): 180.54,136.85 180.54,139.85 200.54,139.85 200.54,136.85
no net on Drill Drawing "CM-eq" (hatched 45Degree grid 2 track 0.15, remove dead copper): 210.54,136.85 210.54,139.85 240.54,139.85 240.54,141.35 260.54,141.35 260.54,139.85 255.54,139.85 255.54,136.85
no net on Drill Drawing "CM-eq" (hatched 45Degree grid 2 track 0.15, remove dead copper, pour order 167): 180.54,181.85 180.54,184.85 200.54,184.85 200.54,181.85
GND on L11GND "GND" (solid, remove dead copper, pour order 65): -7.48,-2.35 -7.48,125 297.201,125 297.201,-2.545 281.47,-2.54 281.47,-2.5 269.77,-2.5
GND on L13GND "GND" (solid, remove dead copper, pour order 64): -7.48,-2.35 -7.48,125 297.201,125 297.201,-2.545 281.47,-2.54 281.47,-2.5 269.77,-2.5 269.77,-2.525
GND on L9GND "GND" (solid, remove dead copper, pour order 67): -7.48,-2.35 -7.48,125 297.201,125 297.201,-2.545 281.47,-2.54 281.47,-2.525 269.77,-2.525
GND on L5GND "GND" (solid, remove dead copper, pour order 68): -7.48,-2.525 -7.48,125 297.201,125 297.201,-2.545 281.47,-2.54 281.47,-2.525
GND on L3GND "GND" (solid, remove dead copper, pour order 69): -7.48,-2.574 -7.48,124.923 296.727,124.923 296.727,-2.572 280.996,-2.567 269.296,-2.567 269.296,-2.749
GND on L7GND "GND" (solid, remove dead copper, pour order 108): -7.48,-2.35 -7.48,125 297.201,125 297.201,-2.545 281.47,-2.54 281.47,-2.525 269.77,-2.525

## Keep-outs
Edge.Cuts:
  the board outline again, w0.2

## Other copper
Top Layer:
  text ".EDA_Number" at -4.995,7.186 h1.5
  text "TOP" at 1.335,4.646 h1.5
  text ".Layer_Name" at 113.18,-25 h1.91 r45
  text "1" at 112.878,-30.08 h2.54
L2:
  text ".Layer_Name" at 118.26,-25 h1.91 r45
  text "2" at 117.414,-30.08 h2.54
L3GND:
  text ".Layer_Name" at 123.34,-25 h1.91 r45
  text "3" at 122.494,-30.08 h2.54
L4:
  text ".Layer_Name" at 128.42,-25 h1.91 r45
  text "4" at 127.513,-30.08 h2.54
L5GND:
  text ".Layer_Name" at 133.5,-25 h1.91 r45
  text "5" at 132.654,-30.08 h2.54
L8:
  pour cut-out: 10.577,16.567 18.194,8.95 68.72,8.95 76.22,16.45
  pour cut-out: 107.644,16.541 111.734,12.45 131.92,12.45 136.02,16.55
  text ".Layer_Name" at 148.74,-25 h1.91 r45
  text "8" at 147.894,-30.08 h2.54
L9GND:
  text ".Layer_Name" at 153.82,-25 h1.91 r45
  text "9" at 153.034,-30.08 h2.54
L10:
  rectangle net Vext2: 219.62,86.95 229.492,90
  text ".Layer_Name" at 158.9,-25 h1.91 r45
  text "10" at 157.122,-30.08 h2.54
L11GND:
  text ".Layer_Name" at 163.98,-25 h1.91 r45
  text "11" at 162.747,-30.08 h2.54
L12:
  text ".Layer_Name" at 169.06,-25 h1.91 r45
  text "12" at 167.282,-30.08 h2.54
L13GND:
  text ".Layer_Name" at 174.14,-25 h1.91 r45
  text "13" at 172.362,-30.08 h2.54
L6:
  pour cut-out: 146.277,59.111 146.277,58.368 146.27,58.361 146.277,58.353 152.248,58.353 152.248,59.133 152.234,59.147
  pour cut-out: 184.19,58.336 184.18,58.347 176.75,58.347 176.75,59.115 176.761,59.126 176.856,59.031 184.222,59.031
  text ".Layer_Name" at 138.58,-25 h1.91 r45
  text "6" at 137.794,-30.08 h2.54
L7GND:
  text ".Layer_Name" at 143.66,-25 h1.91 r45
  text "7" at 142.814,-30.08 h2.54
Bottom Layer:
  text "DIOT 9 Slot Backplane" at 207.27,114.25 h1.5
  text ".EDA_Number" at 10.88,7.186 h1.5
  text "BOT" at 5.165,4.646 h1.5
  text ".Layer_Name" at 179.22,-25 h1.91 r45
  text "14" at 177.382,-30.08 h2.54

## Silkscreen, mask and mechanical layers (free items; w line width, h text height)
Top Overlay:
  region: 4219 vertices and 2 holes, not listed, extent 129.272,28.508 155.764,40.566
  text ".EDA_Number" at 257.225,114.619 h1.5
  text "S" at 0.917,110.467 h2.5
  text "P1" at 30.493,110.467 h2.5
  text "P2" at 60.136,110.467 h2.5
  text "P4" at 120.941,110.467 h2.5
  text "P5" at 151.536,110.467 h2.5
  text "P6" at 182.131,110.467 h2.5
  text "P7" at 212.536,110.467 h2.5
  text "P8" at 243.036,110.467 h2.5
  text "P3" at 90.536,110.367 h2.5
  text "Utility" at 265.12,106.25 h1.5
  text "Licensed under CERN OHL-W v2+" at 87.32,87.45 h1.2
  text "DI/OT Crate - CPCI-Serial Backplane" at 31.55,85.717 h2
  text "http://ohwr.org/CERNOHL" at 87.32,85.45 h1.2
  text "https://ohwr.org/project/diot-crate-hw/wikis" at 87.32,83.45 h1.2
  text "GND" at 205.62,9.05 h2.5
  text "GND" at 174.12,8.85 h2.5
  text "P5V" at 83.02,8.75 h2.5
  text "P5V" at 113.92,8.75 h2.5
  text "P12V" at 235.32,8.55 h2.5
  text "GND" at 143.82,8.45 h2.5
  text "P12V" at 264.72,8.45 h2.5
  text "Top Layer" at 281,5.5 h1.5
  text ".Layer_Name" at 184.3,-25 h1.91
Bottom Overlay:
  text ".EDA_Number" at 273.2,114.65 h1.5
  text "P2" at 65.863,110.467 h2.5
  text "S" at 3.183,110.367 h2.5
  text "P1" at 34.606,110.367 h2.5
  text "P3" at 96.463,110.367 h2.5
  text "P4" at 127.059,110.367 h2.5
  text "P5" at 157.463,110.367 h2.5
  text "P6" at 187.868,110.367 h2.5
  text "P7" at 218.463,110.367 h2.5
  text "P8" at 248.863,110.367 h2.5
  text "EXT PSU" at 288.72,105.85 h1.5
  text "P5V" at 72.92,8.85 h2.5
  text "P5V" at 103.82,8.85 h2.5
  text "GND" at 164.62,8.85 h2.5
  text "GND" at 133.92,8.75 h2.5
  text "GND" at 195.52,8.75 h2.5
  text "P12V" at 224.32,8.55 h2.5
  text "P12V" at 253.22,8.45 h2.5
  text "Bottom / Layer" at 291.2,4.6 h1.5
  text ".Layer_Name" at 221.892,-25 h1.91
F.Paste:
  text ".Layer_Name" at 184.3,-28.175 h1.91
B.Paste:
  text ".Layer_Name" at 221.892,-28.175 h1.91
Top Solder:
  text ".Layer_Name" at 184.3,-31.35 h1.91
Bottom Solder:
  text ".Layer_Name" at 221.892,-31.35 h1.91
Mechanical 1:
  lines w0.8: -7.6,124.3 cw(c-6.4,124.3) -6.4,125.5 295.98,125.5 ; -7.6,124.303 -7.6,-1.8 ccw(c-6.4,-1.8) -6.4,-3 296.001,-3 ; 296,-3 ccw(c296,-1.8) 297.2,-1.8 297.2,124.303 ; 296,125.5 cw(c296,124.3) 297.2,124.3
Mechanical 2:
  text "Components" at 237.18,-21.13 h1.91
  text ".Component_Count" at 254.96,-21.13 h1.91
  text "Pins" at 237.18,-23.67 h1.91
  text ".Pad_Count" at 254.96,-23.67 h1.91
  text "Vias" at 237.18,-26.21 h1.91
  text ".Via_Count" at 254.96,-26.21 h1.91
  text "Holes" at 237.18,-28.75 h1.91
  text ".Hole_Count" at 254.96,-28.75 h1.91
  text "Nets" at 237.18,-31.29 h1.91
  text ".Net_Count" at 254.96,-31.29 h1.91
Mechanical 5:
  lines w0.2: -12.599,-3 -7.58,-3 -7.58,-8 ; -12.599,125.5 -7.58,125.5 -7.58,130.5 ; 297.201,-8 297.201,-3 302.201,-3 ; 297.201,130.5 297.201,125.5 302.201,125.5
  lines w0.254: 115.72,-31.35 115.72,-26.27 ; 120.8,-31.35 120.8,-26.27 ; 125.88,-31.35 125.88,-26.27 ; 130.96,-31.35 130.96,-26.27 ; 136.04,-31.35 136.04,-26.27 ; 141.12,-31.35 141.12,-26.27 ; 146.2,-31.35 146.2,-26.27 ; 151.28,-31.35 151.28,-26.27 ; 156.36,-31.35 156.36,-26.27 ; 161.44,-31.35 161.44,-26.27 ; 166.52,-31.35 166.52,-26.27 ; 171.6,-31.35 171.6,-26.27 ; 176.68,-31.35 176.68,-26.27 ; 110.64,-31.35 181.76,-31.35 181.76,-26.27 110.64,-26.27 110.64,-31.35
Mechanical 6:
  circle w0.305: c50.665,-23.78 r3.81
  lines w0.254: 48.76,-25.042 ccw(c53.205,-25.05) 49.473,-22.636 ; 57.65,-25.05 57.65,-20.605 ; 60.19,-28.225 102.7,-28.225 ; 60.19,-25.05 102.7,-25.05 ; 60.19,-21.875 102.7,-21.875 ; 74.16,-31.4 74.16,-18.7 ; 46.22,-31.4 58.92,-31.4 58.92,-18.7 46.22,-18.7 46.22,-31.4 ; 60.19,-31.4 102.7,-31.4 102.7,-18.7 60.19,-18.7 60.19,-31.4
  lines w0.305: 47.109,-25.152 48.125,-28.225 ; 50.157,-31.273 53.23,-26.599 ; 50.665,-19.97 58.285,-19.335 ; 54.399,-23.018 57.015,-31.4
  text "Number" at 61.46,-21.24 h1.91
  text "EDA-04211-V4" at 75.43,-21.24 h1.91
  text "Drawn By" at 61.46,-24.415 h1.91
  text "M. Gaska" at 75.43,-24.415 h1.91
  text "CERN" at 47.49,-24.669 h2.54
  text "DATE" at 61.46,-27.59 h1.91
  text "30/10/2019" at 75.43,-27.59 h1.91
  text "MOD." at 61.46,-30.765 h1.91
  text "M.Fafara(03/04/2025)" at 75.43,-30.765 h1.78
  text "Print Date" at 61.46,-33.94 h1.27
  text ".Print_Date" at 76.7,-33.94 h1.27
  text ".Print_Time" at 89.4,-33.94 h1.27
  text ".Print_Scale" at 61.46,-35.845 h1.27
  text "Altium Designer Rev" at 61.46,-37.75 h1.27
  text "'.Application_BuildNumber'" at 80.51,-37.75 h1.27
Drill Drawing:
  drawing of 260 lines, arcs and shapes, not listed
  text "Symbol" at -18.338,195.692 h1.83
  text "Hit Count" at -6.715,195.692 h1.83
  text "Finished Hole Size" at 8.094,195.692 h1.83
  text "Plated" at 33.691,195.692 h1.83
  text "Via/Pad" at 43.772,195.692 h1.83
  text "Hole Tolerance" at 56.248,195.692 h1.83
  text "Description" at 80.592,195.692 h1.83
  text "Via Feature" at 103.643,195.692 h1.83
  text "Via Type" at 132.935,195.692 h1.83
  text "549" at -6.715,191.882 h1.52
  text "0.50mm (19.69mil)" at 8.094,191.882 h1.52
  text "PTH" at 33.691,191.882 h1.52
  text "Via" at 43.772,191.882 h1.52
  text "LINE (mm)" at 188.114,189.285 h1.27
  text "CONTROLLED IMPEDANCE +/-10%" at 214.664,189.147 h1.27
  text "Er" at 257.299,188.465 h1.27
  text "LAYER IDENTIFICATION" at 159.411,188.118 h1.27
  text "3504" at -6.715,188.072 h1.52
  text "0.50mm (19.69mil)" at 8.094,188.072 h1.52
  text "PTH" at 33.691,188.072 h1.52
  text "Pad" at 43.772,188.072 h1.52
  text "+/-0.05mm" at 56.248,188.072 h1.52
  text "PressFit Technology" at 80.592,188.072 h1.52
  text "FINISHED COPPER THICKNESS" at 200.874,187.173 h1.27
  text "DIELECTRIC THICKNESS *=CRITICAL" at 243.135,186.423 h1.27
  text "WIDTH/GAP" at 191.358,185.86 h1.14
  text "WIDTH" at 183.423,185.779 h1.14
  text "SINGLE" at 215.319,185.715 h1.27
  text "DIFFERENTIAL" at 227.622,185.715 h1.27
  text "32" at -6.715,184.262 h1.52
  text "0.50mm (19.69mil)" at 8.094,184.262 h1.52
  text "PTH" at 33.691,184.262 h1.52
  text "Via" at 43.772,184.262 h1.52
  text "Filling Both, Capping Both" at 103.643,184.262 h1.52
  text "Type 7" at 132.935,184.262 h1.52
  text "TOP SOLDER" at 152.728,182.715 h1.27
  text "SOLDER RESIST" at 166.531,182.715 h1.27
  text "10 um" at 202.846,182.715 h1.27
  text "3.5" at 256.852,182.715 h1.27
  text "192" at -6.715,180.452 h1.52
  text "1.00mm (39.37mil)" at 8.094,180.452 h1.52
  text "PTH" at 33.691,180.452 h1.52
  text "Pad" at 43.772,180.452 h1.52
  text "+/-0.05mm" at 56.248,180.452 h1.52
  text "PressFit Technology" at 80.592,180.452 h1.52
  text "- / -" at 193.349,179.915 h1.02
  text "-" at 184.996,179.806 h1.27
  text "-" at 217.496,179.806 h1.27
  text "-" at 232.496,179.806 h1.27
  text "TOP LAYER" at 153.294,179.715 h1.27
  text "GND PLANE" at 168.158,179.715 h1.27
  text "35 um" at 202.747,179.715 h1.27
  text "* 0.180 mm" at 242.719,178.215 h1.27
  text "4.3" at 256.852,178.215 h1.27
  text "0.1 / 0.13" at 192.062,176.915 h1.02
  text "-" at 184.996,176.806 h1.27
  text "-" at 217.496,176.806 h1.27
  text "LAYER 2" at 154.424,176.715 h1.27
  text "SIGNAL LAYER" at 167.03,176.715 h1.27
  text "17.5 um" at 202.082,176.715 h1.27
  text "100 ohm" at 229.249,176.715 h1.27
  text "10" at -6.715,176.642 h1.52
  text "1.00mm (39.37mil)" at 8.094,176.642 h1.52
  text "PTH" at 33.691,176.642 h1.52
  text "Via" at 43.772,176.642 h1.52
  text "* 0.200 mm" at 242.619,175.215 h1.27
  text "4.3" at 256.852,175.215 h1.27
  text "- / -" at 193.349,173.915 h1.02
  text "-" at 184.996,173.806 h1.27
  text "-" at 217.496,173.806 h1.27
  text "-" at 232.496,173.806 h1.27
  text "LAYER 3" at 154.424,173.715 h1.27
  text "GND PLANE" at 168.158,173.715 h1.27
  text "17.5 um" at 202.082,173.715 h1.27
  text "16" at -6.715,172.832 h1.52
  text "1.02mm (40.16mil)" at 8.094,172.832 h1.52
  text "PTH" at 33.691,172.832 h1.52
  text "Pad" at 43.772,172.832 h1.52
  text "* 0.180 mm" at 242.719,172.215 h1.27
  text "4.3" at 256.852,172.215 h1.27
  text "0.1 / 0.13" at 192.062,170.915 h1.02
  text "-" at 184.996,170.806 h1.27
  text "-" at 217.496,170.806 h1.27
  text "LAYER 4" at 154.394,170.715 h1.27
  text "SIGNAL LAYER" at 167.03,170.715 h1.27
  text "17.5 um" at 202.082,170.715 h1.27
  text "100 ohm" at 229.249,170.715 h1.27
  text "* 0.200 mm" at 242.619,169.215 h1.27
  text "4.3" at 256.852,169.215 h1.27
  text "42" at -6.715,169.022 h1.52
  text "1.45mm (57.09mil)" at 8.094,169.022 h1.52
  text "PTH" at 33.691,169.022 h1.52
  text "Pad" at 43.772,169.022 h1.52
  text "+0.08mm/-0.03mm" at 56.248,169.022 h1.52
  text "Pressfit Technology" at 80.592,169.022 h1.52
  text "- / -" at 193.349,167.915 h1.02
  text "-" at 184.996,167.806 h1.27
  text "-" at 217.496,167.806 h1.27
  text "-" at 232.496,167.806 h1.27
  text "LAYER 5" at 154.424,167.715 h1.27
  text "GND PLANE" at 168.158,167.715 h1.27
  text "17.5 um" at 202.082,167.715 h1.27
  text "* 0.180 mm" at 242.719,166.215 h1.27
  text "4.3" at 256.852,166.215 h1.27
  text "4" at -6.715,165.212 h1.52
  text "2.50mm (98.43mil)" at 8.094,165.212 h1.52
  text "NPTH" at 33.691,165.212 h1.52
  text "Pad" at 43.772,165.212 h1.52
  text "+/-0.00mm" at 56.248,165.212 h1.52
  text "PressFit Technology" at 80.592,165.212 h1.52
  text "0.1 / 0.13" at 192.062,164.915 h1.02
  text "-" at 184.996,164.806 h1.27
  text "-" at 217.496,164.806 h1.27
  text "LAYER 6" at 154.455,164.715 h1.27
  text "SIGNAL LAYER" at 167.03,164.715 h1.27
  text "17.5 um" at 202.082,164.715 h1.27
  text "100 ohm" at 229.249,164.715 h1.27
  text "* 0.200 mm" at 242.619,163.215 h1.27
  text "4.3" at 256.852,163.215 h1.27
  text "- / -" at 193.349,161.915 h1.02
  text "-" at 184.996,161.806 h1.27
  text "-" at 217.496,161.806 h1.27
  text "-" at 232.496,161.806 h1.27
  text "LAYER 7" at 154.424,161.715 h1.27
  text "GND PLANE" at 168.158,161.715 h1.27
  text "17.5 um" at 202.082,161.715 h1.27
  text "34" at -6.715,161.402 h1.52
  text "2.50mm (98.43mil)" at 8.094,161.402 h1.52
  text "PTH" at 33.691,161.402 h1.52
  text "Pad" at 43.772,161.402 h1.52
  text "+/-0.05mm" at 56.248,161.402 h1.52
  text "PressFit Technology" at 80.592,161.402 h1.52
  text "* 1.500 mm" at 242.719,160.215 h1.27
  text "4.3" at 256.852,160.215 h1.27
  text "0.12 / 0.15" at 191.61,158.915 h1.02
  text "-" at 184.996,158.806 h1.27
  text "-" at 217.496,158.806 h1.27
  text "LAYER 8" at 154.424,158.715 h1.27
  text "SIGNAL LAYER" at 167.03,158.715 h1.27
  text "17.5 um" at 202.082,158.715 h1.27
  text "100 ohm" at 229.249,158.715 h1.27
  text "20" at -6.715,157.592 h1.52
  text "2.70mm (106.30mil)" at 8.094,157.592 h1.52
  text "NPTH" at 33.691,157.592 h1.52
  text "Pad" at 43.772,157.592 h1.52
  text "* 0.200 mm" at 242.619,157.215 h1.27
  text "4.3" at 256.852,157.215 h1.27
  text "- / -" at 193.349,155.915 h1.02
  text "-" at 184.996,155.806 h1.27
  text "-" at 217.496,155.806 h1.27
  text "-" at 232.496,155.806 h1.27
  text "LAYER 9" at 154.455,155.715 h1.27
  text "GND PLANE" at 168.158,155.715 h1.27
  text "17.5 um" at 202.082,155.715 h1.27
  text "* 0.180 mm" at 242.719,154.215 h1.27
  text "4.3" at 256.852,154.215 h1.27
  text "4" at -6.715,153.782 h1.52
  text "2.70mm (106.30mil)" at 8.094,153.782 h1.52
  text "PTH" at 33.691,153.782 h1.52
  text "Pad" at 43.772,153.782 h1.52
  text "0.1 / 0.13" at 192.062,152.915 h1.02
  text "-" at 184.996,152.806 h1.27
  text "-" at 217.496,152.806 h1.27
  text "LAYER 10" at 153.959,152.715 h1.27
  text "SIGNAL LAYER" at 167.03,152.715 h1.27
  text "17.5 um" at 202.082,152.715 h1.27
  text "100 ohm" at 229.249,152.715 h1.27
  text "* 0.200 mm" at 242.619,151.215 h1.27
  text "4.3" at 256.852,151.215 h1.27
  text "7" at -6.715,149.972 h1.52
  text "3.10mm (122.05mil)" at 8.094,149.972 h1.52
  text "PTH" at 33.691,149.972 h1.52
  text "Pad" at 43.772,149.972 h1.52
  text "- / -" at 193.349,149.915 h1.02
  text "-" at 184.996,149.806 h1.27
  text "-" at 217.496,149.806 h1.27
  text "-" at 232.496,149.806 h1.27
  text "LAYER 11" at 154.231,149.715 h1.27
  text "GND PLANE" at 168.158,149.715 h1.27
  text "17.5 um" at 202.082,149.715 h1.27
  text "* 0.180 mm" at 242.719,148.215 h1.27
  text "4.3" at 256.852,148.215 h1.27
  text "0.1 / 0.13" at 192.062,146.915 h1.02
  text "-" at 184.996,146.806 h1.27
  text "-" at 217.496,146.806 h1.27
  text "LAYER 12" at 153.959,146.715 h1.27
  text "SIGNAL LAYER" at 167.03,146.715 h1.27
  text "17.5 um" at 202.082,146.715 h1.27
  text "100 ohm" at 229.249,146.715 h1.27
  text "4414 Total" at -6.715,146.162 h1.52
  text "* 0.200 mm" at 242.619,145.215 h1.27
  text "4.3" at 256.852,145.215 h1.27
  text "- / -" at 193.349,143.915 h1.02
  text "-" at 184.996,143.806 h1.27
  text "-" at 217.496,143.806 h1.27
  text "-" at 232.496,143.806 h1.27
  text "LAYER 13" at 153.959,143.715 h1.27
  text "GND PLANE" at 168.158,143.715 h1.27
  text "17.5 um" at 202.082,143.715 h1.27
  text "General tolerances +/-0.05mm unless otherwise stated" at -20.26,142.55 h1.5
  text "* 0.180 mm" at 242.719,142.215 h1.27
  text "4.3" at 256.852,142.215 h1.27
  text "0.15 / 0.1" at 192.2,140.915 h1.02
  text "-" at 184.996,140.806 h1.27
  text "-" at 217.496,140.806 h1.27
  text "BOTTOM LAYER" at 151.498,140.715 h1.27
  text "SIGNAL LAYER" at 167.03,140.715 h1.27
  text "35 um" at 202.747,140.715 h1.27
  text "100 ohm" at 229.249,140.715 h1.27
  text "BOTTOM SOLDER" at 150.933,137.715 h1.27
  text "SOLDER RESIST" at 166.531,137.715 h1.27
  text "10 um" at 202.846,137.715 h1.27
  text "3.5" at 256.852,137.715 h1.27
  text "4.1 mm" at 245.474,134.85 h1
  text "FINISHED BOARD THICKNESS +/-10% :" at 203.613,134.056 h1.27
  text "Filled and Capped Holes (see PCB Specification) / All vias in pads shall be filled and capped. / Vias not in pads may be optionally filled and capped." at -20.46,130.58 h1.8

## Dimensions
-7.6,-1.8 to 0,0 on Drill Drawing
-7.599,-2.997 to 0,0 on Drill Drawing
-6.4,124.3 to -10.36,128.65 on Drill Drawing
297.201,125.5 to -7.58,125.5 on Mechanical 2
297.201,-3 to 297.201,125.5 on Mechanical 2

## Text inside footprints (layer, text, board x,y; h text height)
BUSH1: Drill Drawing "PRESS-FIT TECH." at 225.353,4.818 h0.75; Drill Drawing "diam. 1.45mm" at 225.87,8.251 h0.75; Drill Drawing "+0.075 -0.025" at 225.431,10.743 h0.75
BUSH2: Drill Drawing "+0.075 -0.025" at 165.238,10.743 h0.75; Drill Drawing "diam. 1.45mm" at 165.676,8.251 h0.75; Drill Drawing "PRESS-FIT TECH." at 165.159,4.818 h0.75
BUSH3: Drill Drawing "+0.075 -0.025" at 254.751,10.743 h0.75; Drill Drawing "diam. 1.45mm" at 255.19,8.251 h0.75; Drill Drawing "PRESS-FIT TECH." at 254.673,4.818 h0.75
BUSH4: Drill Drawing "+0.075 -0.025" at 195.815,10.743 h0.75; Drill Drawing "diam. 1.45mm" at 196.253,8.251 h0.75; Drill Drawing "PRESS-FIT TECH." at 195.736,4.818 h0.75
BUSH5: Drill Drawing "PRESS-FIT TECH." at 73.719,4.818 h0.75; Drill Drawing "diam. 1.45mm" at 74.236,8.251 h0.75; Drill Drawing "+0.075 -0.025" at 73.798,10.743 h0.75
BUSH6: Drill Drawing "+0.075 -0.025" at 104.278,10.743 h0.75; Drill Drawing "diam. 1.45mm" at 104.716,8.251 h0.75; Drill Drawing "PRESS-FIT TECH." at 104.199,4.818 h0.75
BUSH7: Drill Drawing "+0.075 -0.025" at 134.758,10.743 h0.75; Drill Drawing "diam. 1.45mm" at 135.196,8.251 h0.75; Drill Drawing "PRESS-FIT TECH." at 134.679,4.818 h0.75
GUIDE9: Drill Drawing "PRESS-FIT TECH." at -3.08,61.45 h1; Drill Drawing "diam. 2.5mm +/-0.05" at -5.48,59.95 h1